# Altium PCB 2017_IHM.PcbDoc (part 1 of 2) (continued)
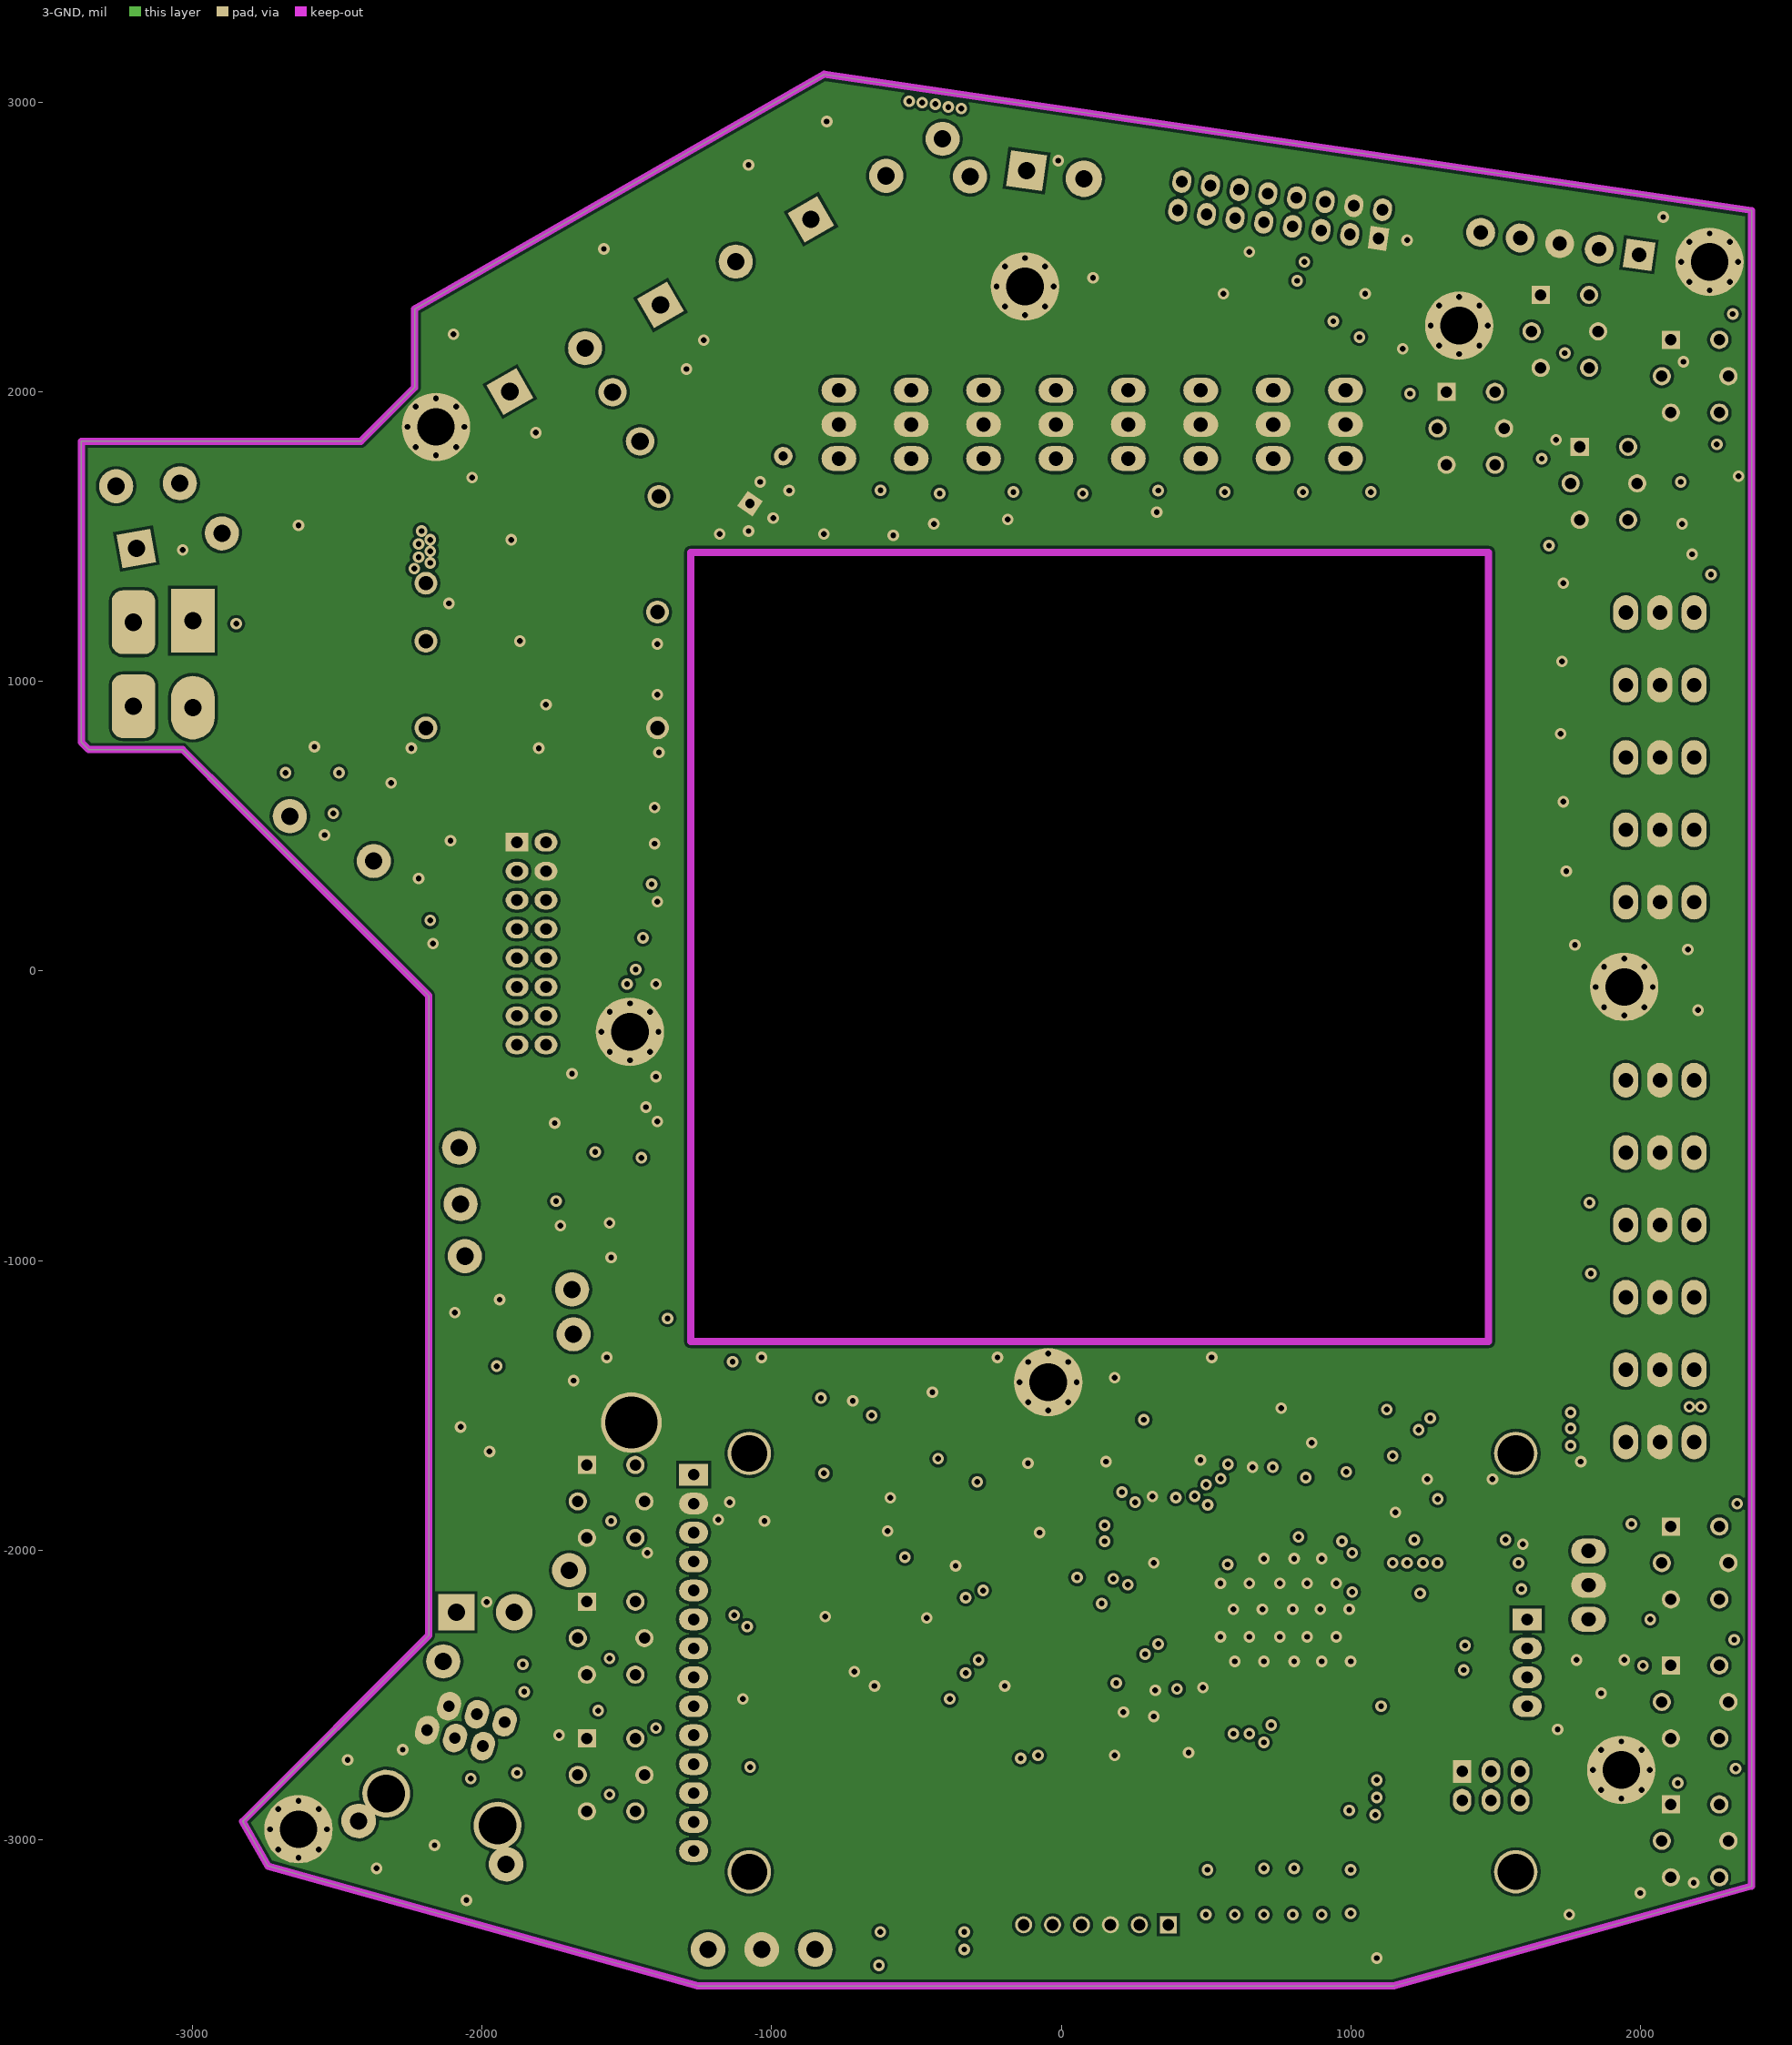
[diagram p3: 3-GND]
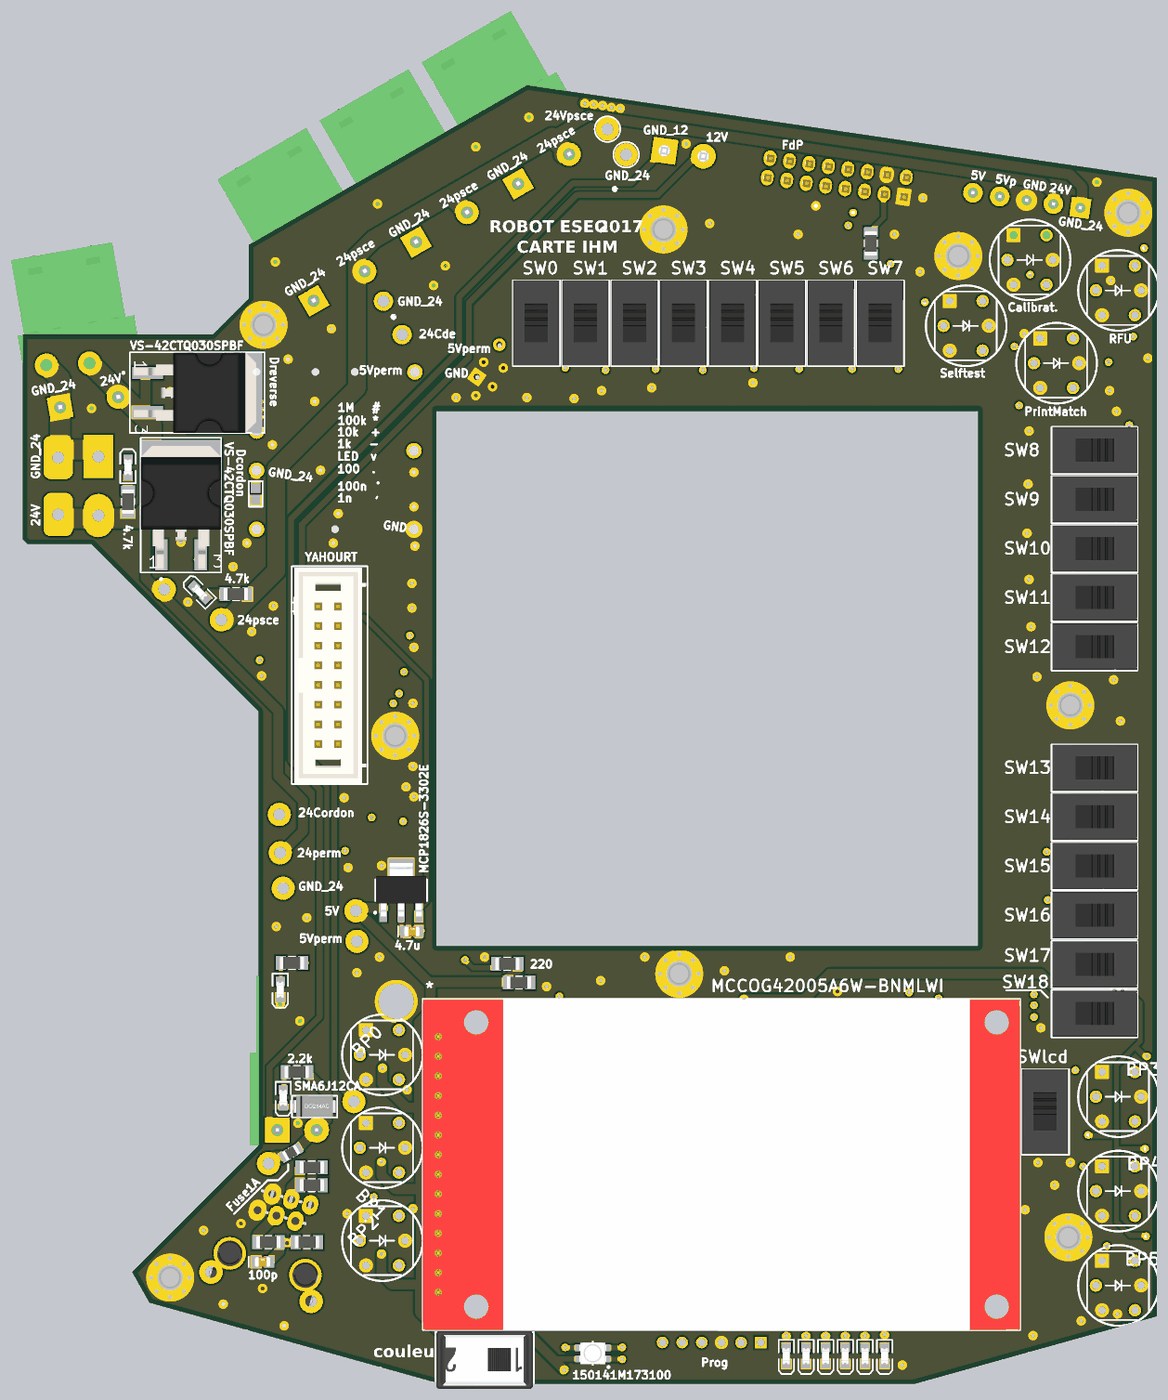
[diagram p5: 3D render of the assembled board from above, using the file's embedded part models]
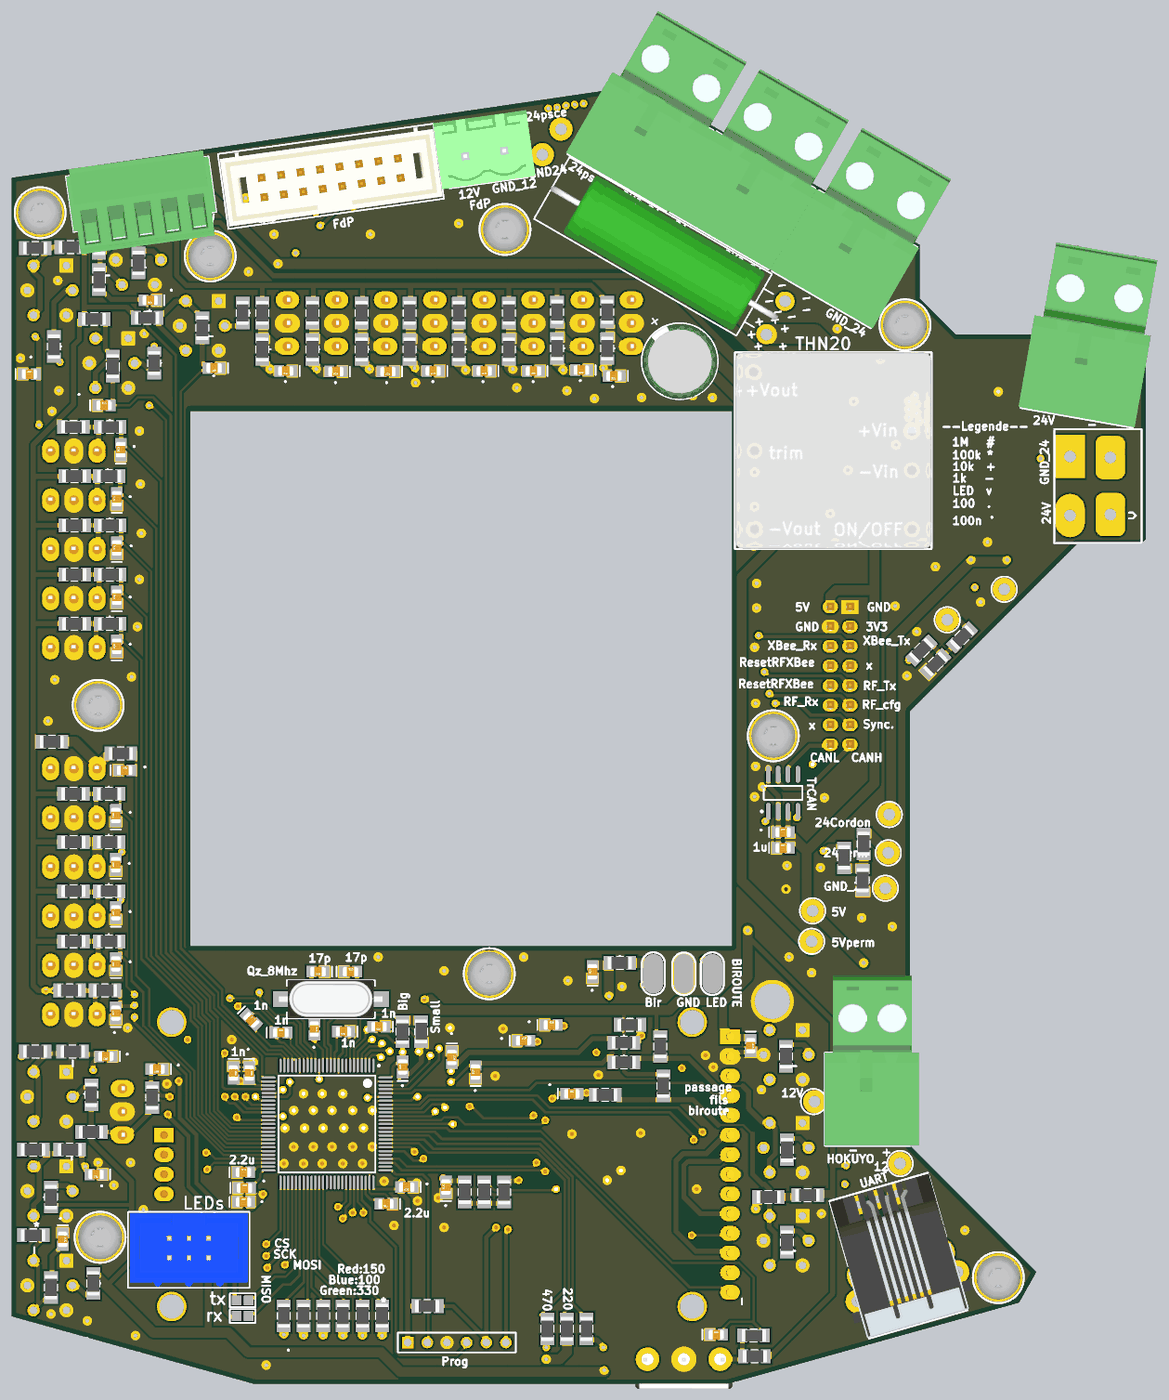
[diagram p6: 3D render of the assembled board from below, using the file's embedded part models]

## Layer stack, top to bottom
Top Solder: solder mask 0.45, Solder Resist, Dk 3.5
1-TOP: signal copper 1.4
Dielectric1: core 20.8, FR-4, Dk 4.8
2-SIGNAL: signal copper 1.4
Dielectric2: prepreg 20.8, FR-4, Dk 4.8
3-GND: signal copper 1.4
Dielectric3: core 20.8, FR-4, Dk 4.8
4-BOT: signal copper 1.4
Bottom Solder: solder mask 0.45, Solder Resist, Dk 3.5

## Board outline
-2740.43,-3092.18 -2827.62,-2937.62 -2185,-2295 -2185,-85 -3035,765 -3360,765 -3385,790 -3385,1830 -2420,1830 -2234.02,2015.98 -2234.02,2287.07 -819.6,3098.21 2385,2627.7 2385,-3161.8 1150.28,-3505.91 -1255.91,-3505.91
cut-out: -1280,1440.98 1475.98,1440.98 1475.98,-1279.02 -1280,-1279.02

## Design rules (kind name [scope] priority, off if disabled: settings)
Clearance Clearance_2 [InNamedPolygon('4-GND') Or  InNamedPolygon('2-GND') Or  InNamedPolygon('3-GND') Or  InNamedPolygon('1-GND') Or  InNamedPolygon('2-GND24')] p1: gap=10
Clearance [All] p2: gap=7
FabricationTestpoint [(IsPad And (OnTopLayer Or OnBottomLayer))] p1: side=3 testpointundercomponent=TRUE minsize=40 maxsize=100 preferedsize=60 minholesize=0 maxholesize=40 preferedholesize=32 testpointgrid=1 allowsidetop=TRUE allowsidebottom=TRUE usegrid=TRUE gridtolerance=0.01
HoleSize [All] p1: absolutevalues=TRUE maxlimit=200 minlimit=1 maxpercent=80.000 minpercent=20.000
PlaneConnect [All] p1: planeconnectstyle=Direct reliefexpansion=20 reliefentries=4 reliefconductorwidth=10 reliefairgap=10
PolygonConnect [All] p1: connectstyle=Direct reliefconductorwidth=10 reliefentries=4 polygonreliefangle="90 Angle" airgapwidth=10
RoomDefinition 2017_IHM [InComponentClass('2017_IHM')] p1: confinementstyle=ConfineIn formatcopy=TRUE lockcomponents=FALSE outline 4770.35,600.98 4240.35,600.98 4240.35,1150.98 4770.35,1150.98
RoutingVias [All] p1: holewidth=28 width=50 viastyle="Through Hole" minholewidth=28 minwidth=50 maxholewidth=28 maxwidth=50
SilkToSolderMaskClearance SilkscreenOverComponentPads [IsPad] p1: minsilkscreentomaskgap=10 clearancetoexposedcopper=TRUE
SolderMaskExpansion [All] p1: expansion=4
Width [All] p1: maxlimit=200 minlimit=10 preferedwidth=15
25 further rules are at their usual default settings.

## Components (designator, comment, footprint, x,y, rotation, side; value= is the part's Value field where it differs from the comment)
12V_FdP "BORNIER2" BORNIER2 -120,2765 r352 bottom
12V_Hokuyo "BORNIER2" BORNIER2_HORIZ -1890,-2215 r180 bottom
12V_in "Name" "Point Test_D3_P1.6mm"#1 -1695,-2070 r90 bottom
12V_out "Name" "Point Test_D3_P1.6mm"#2 -2135,-2385 r90 bottom
24V_T12 "Name" "Point Test_D3_P1.6mm"#2 -410,2875 r180 top
* "2.4_TFT_TOUCH" 2.4_TFT_TOUCH -1350,-3230 r0 top locked
ARU_in "Name" "Point Test_D3_P1.6mm"#2 -2665,535 r90 bottom
ARU_out "Name" "Point Test_D3_P1.6mm"#2 -2375,380 r90 bottom
BAT_24V "Name" "Point Test_D3_P1.6mm"#2 -3045,1685 r90 bottom
BAT_GND "Name" "Point Test_D3_P1.6mm"#2 -3265,1675 r90 bottom
Batterie "FEMELLE A SOUDER 7.62mm" BORNIER2_FEM_COUDE#1 -3195,1460 r10 bottom
biroute "Pad_M3" PAD_CMS_5.08x2.54 -880,-1420 r90 bottom
biroute_gnd "Pad_M3" PAD_CMS_5.08x2.54 -1035,-1420 r270 bottom
birouteLed "Pad_M3" PAD_CMS_5.08x2.54 -1180,-1420 r90 bottom
BP0 "pushbutton_led" PUSHBUTTON_LED -1555,-1832.28 r0 top
BP1 "pushbutton_led" PUSHBUTTON_LED -1555,-2304.72 r0 top
BP2 "pushbutton_led" PUSHBUTTON_LED -1555,-2777.16 r0 top
BP3 "pushbutton_led" PUSHBUTTON_LED 2190,-2045 r0 top
BP4 "pushbutton_led" PUSHBUTTON_LED 2190,-2525 r0 top
BP5 "pushbutton_led" PUSHBUTTON_LED 2190,-3005 r0 top
BPc "pushbutton_led" PUSHBUTTON_LED 1740,2210 r0 top
BPpm "pushbutton_led" PUSHBUTTON_LED 1875,1685 r0 top
BPrfu "pushbutton_led" PUSHBUTTON_LED 2190,2055 r0 top
BPst "pushbutton_led" PUSHBUTTON_LED 1415,1875 r0 top
C46 "17pF" C0805_N 660.98,-1409.02 r180 bottom
C47 "17pF" C0805_N 825.98,-1409.02 r0 bottom
C49 "2.2uF" C0805_N 1205.98,-2429.02 r180 bottom
C50 "2.2uF" C0805_N 480,-2590 r0 bottom
Cd0 "100nF" C0805_N 395.98,-1894.02 r90 bottom
Cd1 "100nF" C0805_N 1200.98,-2509.02 r180 bottom
Cd2 "100nF" C0805_N 375,-2505 r0 bottom
Cd3 "100nF" C0805_N 1175.98,-1924.02 r270 bottom
Cd3V_1 "4.7u" C0805_N -1405,-1205 r0 top
Cd4 "100nF" C0805_N 1205,-2580 r180 bottom
Cd5 "1nF" C0805_N 1165.98,-1654.02 r225 bottom
Cd6 "1nF" C0805_N 515.98,-1689.02 r0 bottom
Cd7 "1nF" C0805_N 695.98,-1714.02 r0 bottom
Cd8 "1nF" C0805_N 1015.98,-1719.02 r180 bottom
Cd9 "1nF" C0805_N 1255.98,-1924.02 r270 bottom
Cd24VCDE "1000uF" RESISTANCE_5W -1500,1915 r30 bottom
Cde_in "Name" "Point Test_D3_P1.6mm"#2 -1685,-1255 r90 bottom
Cde_out "Name" "Point Test_D3_P1.6mm"#2 -1690,-1100 r90 bottom
Cdlcd "10uF" C0805_N -1375,-1785 r270 bottom
CdPerm "100uF" CONDENSATEUR_POLARISE_ELECTROLYTIQUE_RADIAL_5.08/8.9 -1075,1615 r55 bottom
CfBir "100nF" C0805_N -570,-1410 r90 bottom
CfBP0 "100nF" C0805_N 145,-1845 r270 bottom
CfBP1 "100nF" C0805_N 25,-1920 r90 bottom
CfBP2 "100nF" C0805_N -465,-2030 r180 bottom
CfBP3 "100nF" C0805_N 1905,-1840 r0 bottom
CfBP4 "100nF" C0805_N 1955,-2440 r0 bottom
CfBP5 "100nF" C0805_N 2125,-2770 r270 bottom
CfBPc "100nF" C0805_N 1680,2005 r0 bottom
CfBPpm "100nF" C0805_N 1915,1470 r180 bottom
CfBPrfu "100nF" C0805_N 2295,1630 r180 bottom
CfBPst "100nF" C0805_N 1355,1660 r0 bottom
CfSW0 "100nF" C0805_N -680,1620 r0 bottom
CfSW1 "100nF" C0805_N -515,1650 r0 bottom
CfSW2 "100nF" C0805_N -270,1645 r0 bottom
CfSW3 "100nF" C0805_N -20,1645 r0 bottom
CfSW4 "100nF" C0805_N 240,1645 r0 bottom
CfSW5 "100nF" C0805_N 469.88,1642.44 r0 bottom
CfSW6 "100nF" C0805_N 734.88,1642.44 r0 bottom
CfSW7 "100nF" C0805_N 990,1645 r0 bottom
CfSW8 "100nF" C0805_N 1830,1245 r90 bottom
CfSW9 "100nF" C0805_N 1850,995 r90 bottom
CfSW10 "100nF" C0805_N 1850,745 r90 bottom
CfSW11 "100nF" C0805_N 1850,495 r90 bottom
CfSW12 "100nF" C0805_N 1850,245 r90 bottom
CfSW13 "100nF" C0805_N 1810,-385 r180 bottom
CfSW14 "100nF" C0805_N 1855,-615 r90 bottom
CfSW15 "100nF" C0805_N 1855,-865 r90 bottom
CfSW16 "100nF" C0805_N 1855,-1110 r90 bottom
CfSW17 "100nF" C0805_N 1855,-1370 r90 bottom
CfSW18 "100nF" C0805_N 1855,-1620 r90 bottom
CfSWcolor "100nF" C0805_N -1200,-3255 r180 bottom
CfSWlcd "100nF" C0805_N 1645,-1905 r0 bottom
Chargeur "MALE A SOUDER 7.62mm" BORNIER2_FEM_COUDE#2 -3000,910 r90 bottom
Cmes12 "100nF" C0805_N 175,-2505 r90 bottom
Cmes24 "100nF" C0805_N -360,-1680 r180 bottom
Cmes24p "100nF" C0805_N -220,-1760 r180 bottom
Cnrst "100nF" C0805_N 845,-1700 r270 bottom
CORDON_24V "Name" "Point Test_D3_P1.6mm"#2 -2080,-610 r90 bottom
CORDON_CHARGE "Name" "Point Test_D3_P1.6mm"#2 -2075,-805 r90 bottom
CORDON_GND "Name" "Point Test_D3_P1.6mm"#2 -2060,-985 r90 bottom
D24in "LED" LED_0805 -2850,1155 r90 top
D24Psce "LED" LED_0805 -2485,520 r135 top
Dcde "LED" LED_0805 -2075,-1500 r270 top
Dcordon "VS-42CTQ030SPBF" "D2Pak (123)" -2680,710 r0 top
Dhok "LED" LED_0805 -2060,-2050 r270 top
Dreverse "VS-42CTQ030SPBF" "D2Pak (123)" -2750,1635 r270 top
Dtransil "SMA6J12CA" DO214AC -1900,-2095 r0 top (schematic designator Dcord)
F1 "Fusible_1A_Fast" R0805_N -2020,-2330 r30 top
FdP "BARRETTE_8 CONTACTS_2 RANGEES_MALE_DROITE" "HE10/16_M_D_B P" 1110,2630 r172 bottom locked (schematic designator COMRF)
FdP_pwr "BORNIER_5V_3.81MM" BORNIER_5V_3.5MM_femelle_0 1995,2475 r172 bottom
GND_T12 "Name" "Point Test_D3_P1.6mm"#2 -315,2745 r180 top
J5_24V "0 - 24V" BORNIER2_FEM_COUDE#1 -864.71,2597.09 r30 bottom
J11_24V "0 - 24V" BORNIER2_FEM_COUDE#1 -1904.71,2002.09 r30 bottom
J14_24V "0 - 24V" BORNIER2_FEM_COUDE#1 -1384.24,2300.98 r30 bottom
Led0 "LED Verte" LED_0805 1000,-3362.91 r270 top
Led1 "LED Jaune" LED_0805 900,-3362.91 r270 top
Led2 "LED orange" LED_0805 800,-3362.91 r270 top
Led3 "LED Rouge" LED_0805 700,-3362.91 r270 top
Led4 "LED Bleu" LED_0805 600,-3362.91 r270 top
Led5 "LED Bleu" LED_0805 500,-3362.91 r270 top
LED_color "150141M173100" 3528 -485,-3350 r180 top
LEDs "HE10/6_MALE_DROIT_BAS PROFIL" HE10/6_M_D_BP 1385,-2865 r0 bottom
P1 "ProgSWD" HDR1X6 370,-3295 r180 bottom
R24in "4.7k" R1206_N -2850,980 r90 top
R24Psce "4.7k" R1206_N -2300,510 r180 top
R_ledRetro3 "" R1206_N -1665,-2545 r0 bottom
R_ledRetro5 "" R1206_N -1465,-2555 r180 bottom
RBlue "100" R1206_N -540,-3225 r270 bottom
Rcde "1k" R1206_N -2015,-1365 r180 top
RGreen "470" R1206_N -340,-3225 r270 bottom
Rhok "2,2k" R1206_N -1990,-1920 r180 top
Rihm_ready "100" R1206_N 930,2295 r270 top
Rled0 "330" R1206_N 1000,-3160 r90 bottom
Rled1 "330" R1206_N 900,-3160 r90 bottom
Rled2 "150" R1206_N 800,-3160 r90 bottom
Rled3 "150" R1206_N 700,-3160 r90 bottom
Rled4 "100" R1206_N 600,-3160 r90 bottom
Rled5 "100" R1206_N 500,-3160 r90 bottom
RledBir "220" R1206_N -920,-1370 r0 top
Rmes12+ "100k" R1206_N -20,-2530 r90 bottom
Rmes12- "10K" R1206_N -120,-2530 r270 bottom
Rmes24+ "100k" R1206_N -1950,-760 r90 bottom
Rmes24- "10K" R1206_N -1945,-945 r90 bottom
Rmes24p+ "100k" R1206_N -2450,290 r135 bottom
Rmes24p- "10K" R1206_N -2315,155 r135 bottom
Rnrst "100k" R1206_N 270,-3110 r0 bottom
RpuBir "10K" R1206_N -860,-1465 r180 top
RpuBP0 "100K" R1206_N -760,-1680 r0 bottom
RpuBP1 "100K" R1206_N -915,-1790 r90 bottom
RpuBP2 "100K" R1206_N -930,-1990 r90 bottom
RpuBP3 "100K" R1206_N 2265,-1815 r0 bottom
RpuBP4 "100K" R1206_N 2275,-2315 r0 bottom
RpuBP5 "100K" R1206_N 2275,-2750 r0 bottom
RpuBPc "100K" R1206_N 1940,2295 r90 bottom
RpuBPpm "100K" R1206_N 1965,1910 r0 bottom
RpuBPrfu "100K" R1206_N 2085,2275 r180 bottom
RpuBPst "100K" R1206_N 1695,1915 r0 bottom
RpuSW0 "100K" R1206_N -645,1945 r90 bottom
RpuSW1 "100K" R1206_N -390,1945 r90 bottom
RpuSW2 "100K" R1206_N -145,1940 r90 bottom
RpuSW3 "100K" R1206_N 110,1940 r90 bottom
RpuSW4 "100K" R1206_N 360,1940 r90 bottom
RpuSW5 "100K" R1206_N 605,1940 r90 bottom
RpuSW6 "100K" R1206_N 855,1940 r90 bottom
RpuSW7 "100K" R1206_N 1110,1940 r90 bottom
RpuSW8 "100K" R1206_N 2070,1360 r0 bottom
RpuSW9 "100K" R1206_N 2065,1110 r0 bottom
RpuSW10 "100K" R1206_N 2065,860 r0 bottom
RpuSW11 "100K" R1206_N 2065,610 r0 bottom
RpuSW12 "100K" R1206_N 2065,360 r0 bottom
RpuSW13 "100K" R1206_N 2180,-240 r0 bottom
RpuSW14 "100K" R1206_N 2070,-505 r0 bottom
RpuSW15 "100K" R1206_N 2070,-750 r0 bottom
RpuSW16 "100K" R1206_N 2070,-1000 r0 bottom
RpuSW17 "100K" R1206_N 2070,-1255 r0 bottom
RpuSW18 "100K" R1206_N 2090,-1505 r0 bottom
RpuSWcolor "100K" R1206_N -1395,-3365 r180 bottom
RpuSWlcd "100K" R1206_N 1980,-2225 r0 bottom
Rred "220" R1206_N -440,-3225 r270 bottom
RsBir "1K" R1206_N -710,-1365 r0 bottom
RsBP0 "1K" R1206_N -730,-1770 r0 bottom
RsBP1 "1K" R1206_N -730,-1870 r0 bottom
RsBP2 "1K" R1206_N -635,-2035 r0 bottom
RsBP3 "1K" R1206_N 2075,-1815 r180 bottom
RsBP4 "1K" R1206_N 2090,-2315 r180 bottom
RsBP5 "1K" R1206_N 2185,-3015 r90 bottom
RsBPc "1K" R1206_N 1940,2110 r270 bottom
RsBPpm "1K" R1206_N 1870,1670 r270 bottom
RsBPrfu "1K" R1206_N 2265,2270 r0 bottom
RsBPst "1K" R1206_N 1415,1865 r270 bottom
RsLedBP0 "1K" R1206_N -1555,-1840 r270 bottom
RsLedBP1 "1K" R1206_N -1560,-2315 r270 bottom
RsLedBP2 "1K" R1206_N -1560,-2785 r270 bottom
RsLedBP3 "1K" R1206_N 1980,-2035 r270 bottom
RsLedBP4 "1K" R1206_N 2185,-2555 r270 bottom
RsLedBP5 "1K" R1206_N 1970,-2995 r90 bottom
RsLedBPc "1K" R1206_N 1740,2195 r270 bottom
RsLedBPpm "1K" R1206_N 1660,1685 r90 bottom
RsLedBPrfu "1K" R1206_N 2170,1770 r270 bottom
RsLedBPst "1K" R1206_N 1210,1940 r90 bottom
Rsme12 "10k" R1206_N 80,-2530 r90 bottom
Rsme24 "10k" R1206_N -1850,-830 r90 bottom
Rsme24p "10k" R1206_N -2245,225 r315 bottom
RsSW0 "1K" R1206_N -645,1760 r270 bottom
RsSW1 "1K" R1206_N -390,1760 r270 bottom
RsSW2 "1K" R1206_N -145,1755 r270 bottom
RsSW3 "1K" R1206_N 110,1755 r270 bottom
RsSW4 "1K" R1206_N 360,1755 r270 bottom
RsSW5 "1K" R1206_N 605,1755 r270 bottom
RsSW6 "1K" R1206_N 855,1755 r270 bottom
RsSW7 "1K" R1206_N 1110,1755 r270 bottom
RsSW8 "1K" R1206_N 1885,1360 r180 bottom
RsSW9 "1K" R1206_N 1890,1110 r180 bottom
RsSW10 "1K" R1206_N 1885,860 r180 bottom
RsSW11 "1K" R1206_N 1885,610 r180 bottom
RsSW12 "1K" R1206_N 1885,360 r180 bottom
RsSW13 "1K" R1206_N 1830,-300 r180 bottom
RsSW14 "1K" R1206_N 1890,-505 r180 bottom
RsSW15 "1K" R1206_N 1890,-750 r180 bottom
RsSW16 "1K" R1206_N 1890,-1000 r180 bottom
RsSW17 "1K" R1206_N 1890,-1255 r180 bottom
RsSW18 "1K" R1206_N 1910,-1505 r180 bottom
RsSWcolor "1K" R1206_N -1390,-3260 r180 bottom
RsSWlcd "1K" R1206_N 1670,-2050 r90 bottom
rx "Goutte Strap_2" "Goutte Strap_2 Pads_Clearance 0.254mm" 1180,-3160 r0 bottom
STgnd "Goutte Strap_2" "Goutte Strap_2 Pads_Clearance 0.254mm" -2200,1050 r270 top
STM32 "STM32F407VGT6" STM-LQFP100_N 780.98,-2184.02 r270 bottom
STR_CdCan1 "100nF" C0805_N -1540,-700 r180 bottom
STR_CdCan2 "1µF" C0805_N -1540,-780 r180 bottom
STR_Cu1rx "100pF" C0805_N -2165,-2885 r0 top
STR_RdwnWAmI "0" R1206_N 300.98,-1714.02 r90 bottom
STR_RpuU1rx "10k" R1206_N -1940,-2785 r0 top
STR_RpuU1tx "1M" R1206_N -1915,-2405 r0 top
STR_Rsu1rx "1k" R1206_N -2135,-2785 r180 top
STR_RsU1tx "100" R1206_N -1915,-2495 r0 top
STR_RupWAmI "0" R1206_N 395.98,-1714.02 r270 bottom
STR_UART1 "RJ11_6/6" "RJ11_6/6 - Wurth Half Shielded Tab Down WR-MJ" -2115,-2540 r254 bottom
STR_Ucan "MCP2551-I/SN" SO8_N -1540,-500 r90 bottom
SW0 "25436NAH" "SW_UNIPOL_DROIT - Ebay - SPDT - 11x6x5" -650,2105 r180 top
SW1 "25436NAH" "SW_UNIPOL_DROIT - Ebay - SPDT - 11x6x5" -400,2105 r180 top
SW2 "25436NAH" "SW_UNIPOL_DROIT - Ebay - SPDT - 11x6x5" -150,2105 r180 top
SW3 "25436NAH" "SW_UNIPOL_DROIT - Ebay - SPDT - 11x6x5" 100,2105 r180 top
SW4 "25436NAH" "SW_UNIPOL_DROIT - Ebay - SPDT - 11x6x5" 350,2105 r180 top
SW5 "25436NAH" "SW_UNIPOL_DROIT - Ebay - SPDT - 11x6x5" 600,2105 r180 top
SW6 "25436NAH" "SW_UNIPOL_DROIT - Ebay - SPDT - 11x6x5" 850,2105 r180 top
SW7 "25436NAH" "SW_UNIPOL_DROIT - Ebay - SPDT - 11x6x5" 1100,2105 r180 top
SW8 "25436NAH" "SW_UNIPOL_DROIT - Ebay - SPDT - 11x6x5" 2285,1120 r90 top
SW9 "25436NAH" "SW_UNIPOL_DROIT - Ebay - SPDT - 11x6x5" 2285,870 r90 top
SW10 "25436NAH" "SW_UNIPOL_DROIT - Ebay - SPDT - 11x6x5" 2285,620 r90 top
SW11 "25436NAH" "SW_UNIPOL_DROIT - Ebay - SPDT - 11x6x5" 2285,370 r90 top
SW12 "25436NAH" "SW_UNIPOL_DROIT - Ebay - SPDT - 11x6x5" 2285,120 r90 top
SW13 "25436NAH" "SW_UNIPOL_DROIT - Ebay - SPDT - 11x6x5" 2285,-495 r90 top
SW14 "25436NAH" "SW_UNIPOL_DROIT - Ebay - SPDT - 11x6x5" 2285,-745 r90 top
SW15 "25436NAH" "SW_UNIPOL_DROIT - Ebay - SPDT - 11x6x5" 2285,-995 r90 top
SW16 "25436NAH" "SW_UNIPOL_DROIT - Ebay - SPDT - 11x6x5" 2285,-1245 r90 top
SW17 "25436NAH" "SW_UNIPOL_DROIT - Ebay - SPDT - 11x6x5" 2285,-1495 r90 top
SW18 "25436NAH" "SW_UNIPOL_DROIT - Ebay - SPDT - 11x6x5" 2285,-1745 r90 top
SWcolor "25436NAH" "SW_UNIPOL_DROIT - APEM 18235" -785,-3520 r90 top
SWlcd "25436NAH" "SW_UNIPOL_DROIT - Ebay - SPDT - 11x6x5" 1940,-1905 r180 top
TR_5V "TRACO THN 20-4811Wi" TRACO_THN20 -2295,740 r0 bottom
tx "Goutte Strap_2" "Goutte Strap_2 Pads_Clearance 0.254mm" 1180,-3080 r0 bottom
Ureg_3V "MCP1826S-3302E/DB" SOT223-4N -1460,-995 r90 top
V1 "Pad_M3" M3x6mm -45,-1420 r180 bottom
V2 "Pad_M3" M3x6mm 2240,2450 r180 bottom
V3 "Pad_M3" M3x6mm -1490,-210 r180 bottom
V4 "Pad_M3" M3x6mm 1935,-2760 r180 bottom
V5 "Pad_M3" M3x6mm -2635,-2965 r180 bottom
V6 "Pad_M3" M3x6mm -2160,1880 r180 bottom
V7 "Pad_M3" M3x6mm -125,2365 r180 bottom
V8 "Pad_M3" M3x6mm 1375,2230 r180 bottom
V9 "Pad_M3" M3x6mm 1945,-55 r180 bottom
Y1 "8 MHz" HC49/4H_SMX 760.98,-1549.02 r180 bottom
Yahourt "BARRETTE_8 CONTACTS_2 RANGEES_MALE_DROITE" "HE10/16_M_D_B P" -1780,445 r270 top (schematic designator COMRF)
